# KiCad board panel12-1616.kicad_pcb (continued)
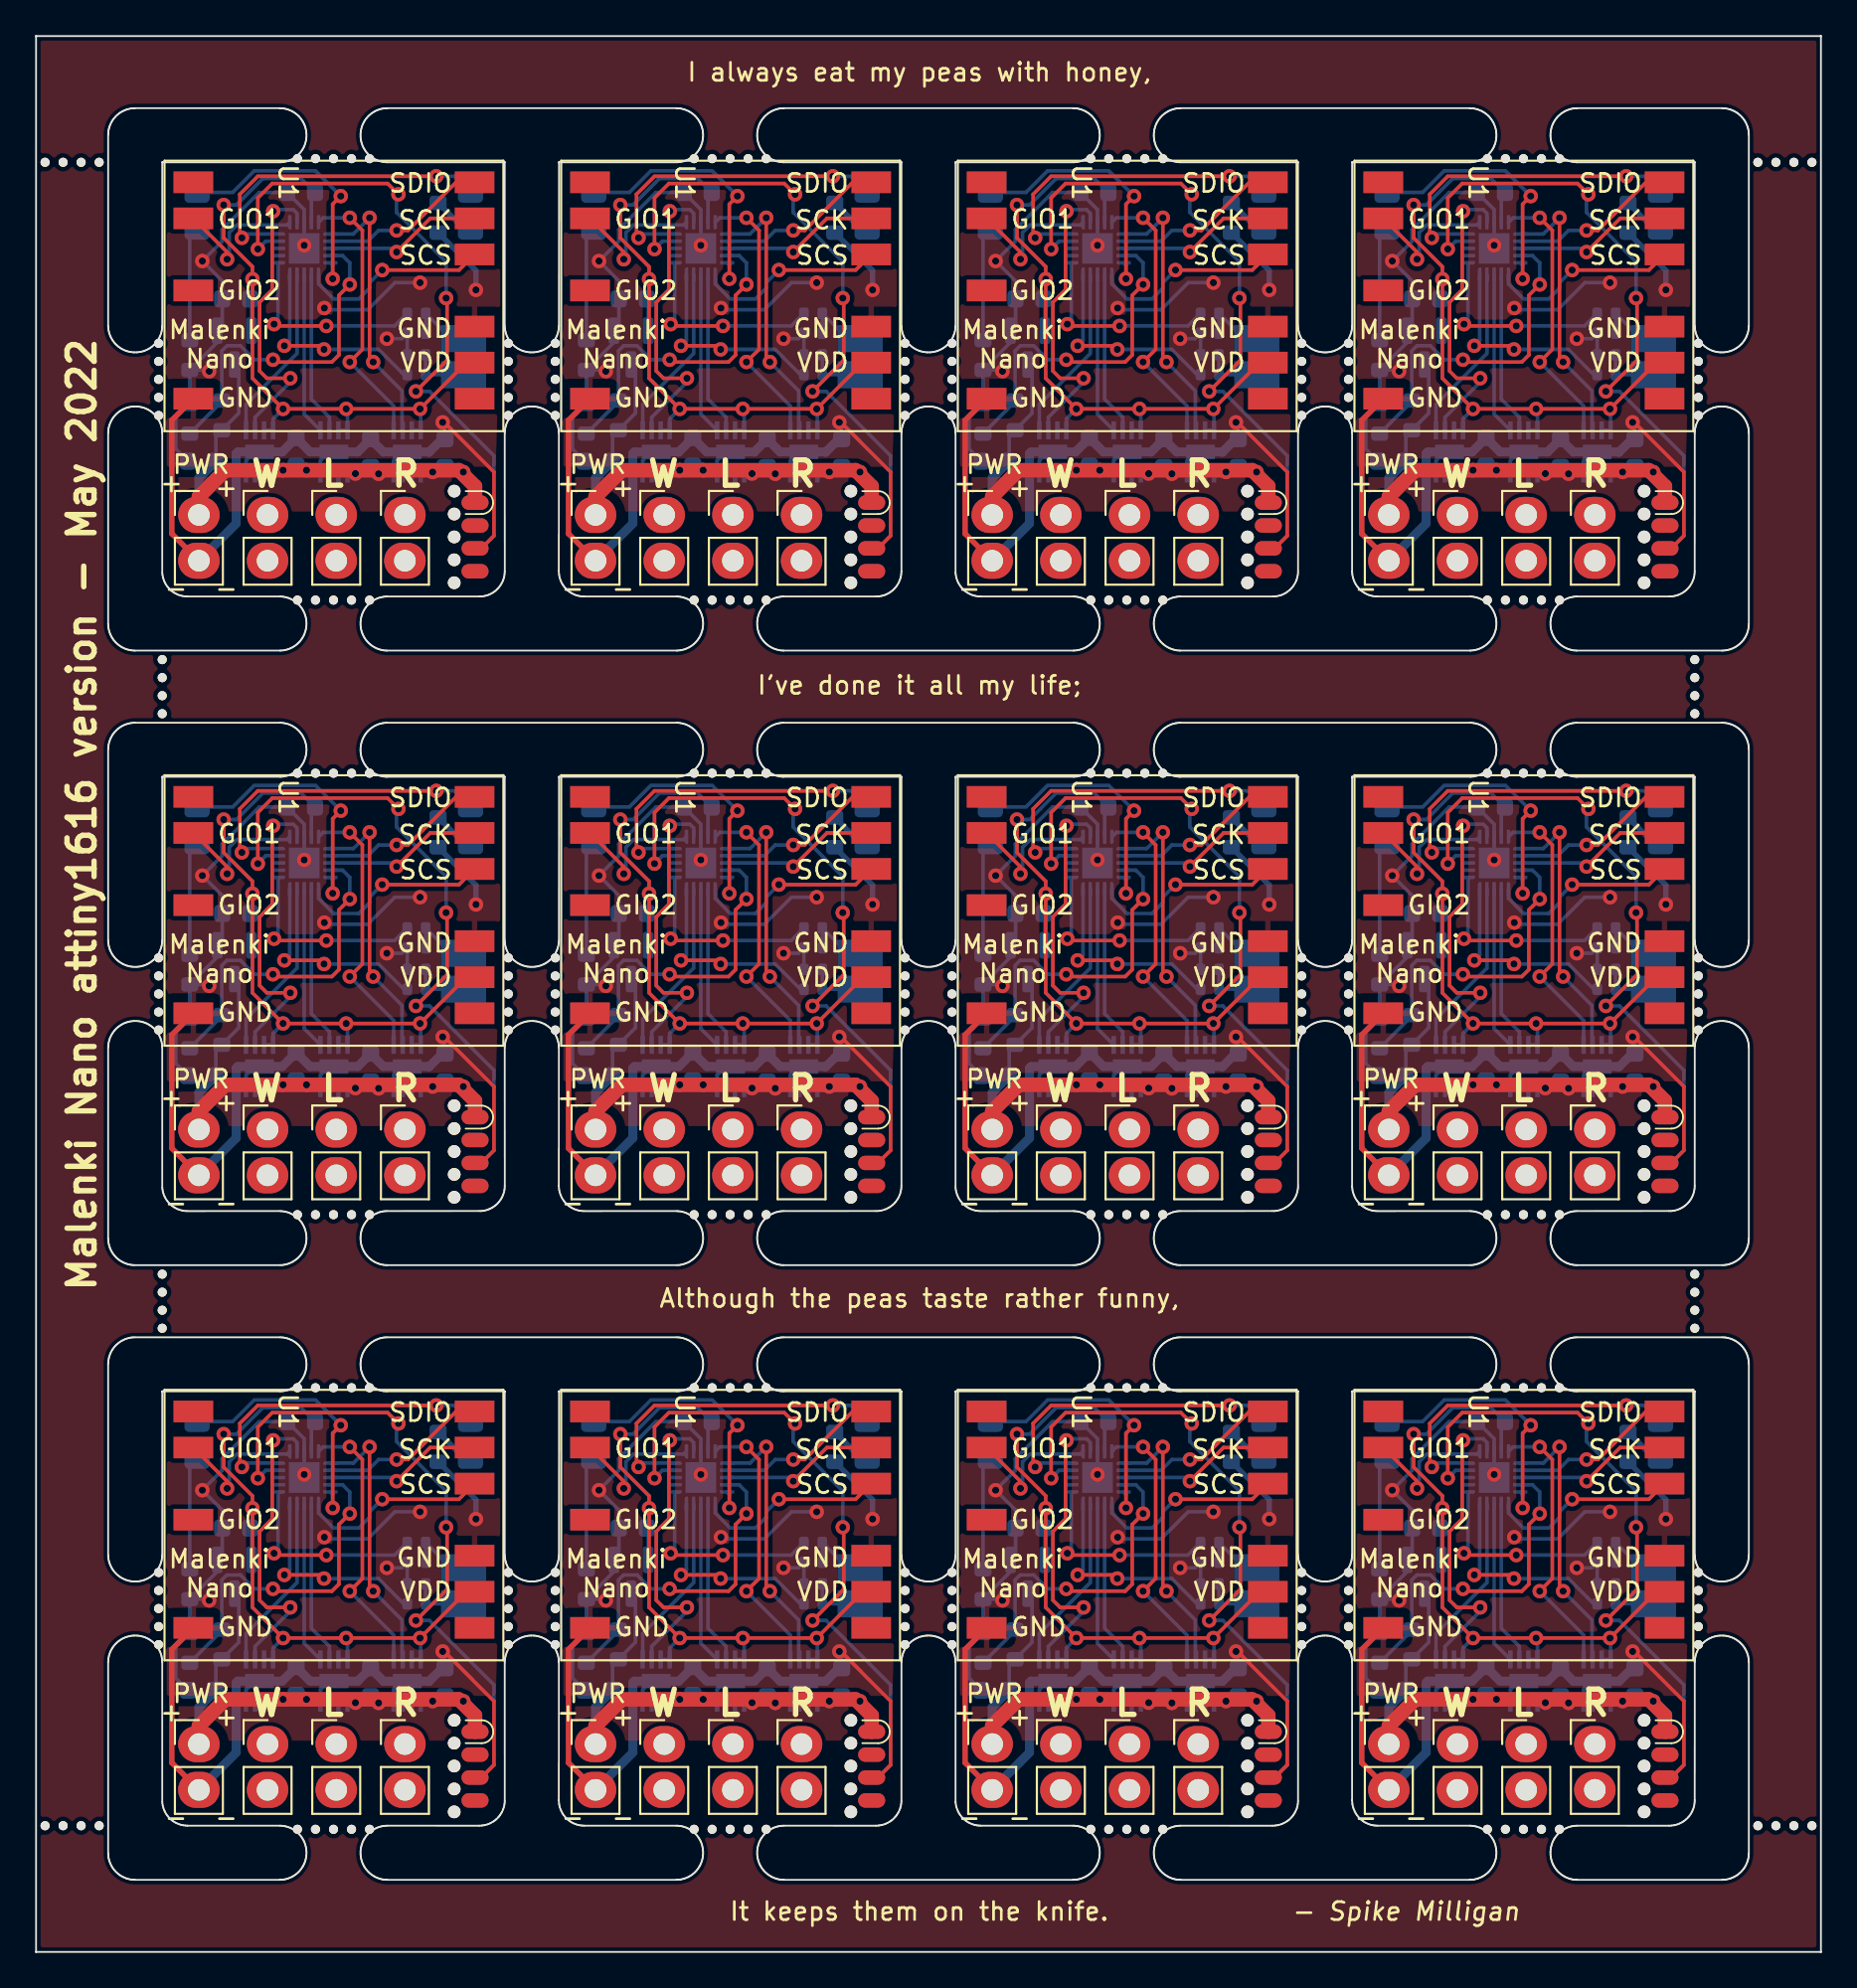
[diagram p0: board, top side]
## Routing (per net, layer and track width the routed paths; a pad name or vN(x,y) marks a point on that pad's centre or on a via; arc(x,y) is an arc through that point) (continued)
Board_9-Net-(D1-Pad1): length 6.3
  Bottom w0.2: R1#5.1 30.53,26.96 D1#11.1
Board_9-Net-(D2-Pad1): length 2.4
  Bottom w0.3: D2#4.1 45.78,27.37 R2#7.1
Board_9-SPI_SCK: length 8.9
  Top w0.2: v1(42.01,26.11) 43.87,27.97 U1#9.13
  Bottom w0.2: v1(42.01,26.11) 41.81,26.31 U3#5.8
Board_9-SPI_SCS: length 10.7
  Top w0.2: U1#9.12 45.47,25.11 v1(41.21,25.11)
  Bottom w0.2: v1(41.21,25.11) 40.51,24.41 40.51,24.11 39.91,23.51 38.51,23.51 37.68,24.34 U3#5.11
Board_9-SPI_SDIO: length 9.4
  Top w0.2: U1#9.14 45.31,29.97 42.64,27.31 v1(42.01,27.31)
  Bottom w0.2: v1(42.01,27.31) 41.01,27.31 40.41,26.71 U3#5.7
Board_9-TXDEBUG: length 18.1
  Top w0.2: v1(33.42,26.89) 33.31,27.01 33.31,29.31 34.31,30.31 v1(44.21,30.31)
  Bottom w0.2: U3#5.20 33.64,27.11 v1(33.42,26.89) ; v1(44.21,30.31) 45.22,30.31 D2#4.2
Board_9-UPDI: length 36.9
  Top w0.2: v1(44.75,23.55) 44.81,23.5 44.81,20.11 v1(43.08,18.38) ; v1(42.11,29.31) 41.51,29.91 35.11,29.91 34.31,29.11 v1(34.31,26.27)
  Bottom w0.2: v1(42.11,29.31) 42.01,29.21 42.01,28.3 44.75,25.56 v1(44.75,23.55) ; J2#9.6 46.71,9.67 47.41,10.37 47.41,14.81 43.84,18.38 v1(43.08,18.38) ; U3#5.19 34.75,26.71 v1(34.31,26.27)
Board_9-VBAT: length 27.6
  Top w0.8: J2#9.1 46.36,13.11 45.46,14.01 v1(37.01,14.01) v1(35.71,14.01) 32.51,14.01 31.04,12.54 J1#12.1
  Bottom w0.2: C2#4.1 31.98,15.9 R3#11.1 33.25,17.17 33.25,19.62 U2#6.3
  Bottom w0.5: C2#4.1 31.04,13.57 J1#12.1
  vias: v1(39.72,13.82) v1(41.01,13.81) v1(44.01,13.91) v1(45.71,13.91)
Board_9-VLOGIC: length 40.4
  Top w0.2: U1#9.9 45.87,19.97 v1(43.31,17.41) v1(39.21,17.41) v1(35.71,17.41) 34.01,19.11 v1(34.01,24.61) 34.01,25.29 32.41,26.89 v1(32.41,28.72)
  Bottom w0.2: U2#6.2 33.96,23.43 C3#11.1 34.01,23.63 v1(34.01,24.61) ; U5#8.7 U5#8.8 35.15,16.85 v1(35.71,17.41) ; v1(43.31,17.41) 43.35,17.37 U7#12.8 U7#12.7 ; v1(32.41,28.72) 33.12,28.72 34.58,30.18 36.71,30.18 C4.1 37.28,29.2 U3#5.4 ; v1(39.21,17.41) 39.28,17.33 U6#8.8 U6#8.7
Board_9-VSENSE: length 19.1
  Top w0.2: v1(35.15,20.14) 35.27,20.01 38.42,20.01 38.81,20.4 38.81,23.71 v1(39.41,24.31)
  Bottom w0.2: v1(35.15,20.14) 34.12,20.14 33.34,20.91 32.59,20.91 32.31,20.62 R3#11.2 32.31,17.81 R4#5.1 ; U3#5.9 39.01,25.91 39.41,25.51 v1(39.41,24.31)
Board_9-WEAPON2: length 3.2
  Bottom w0.2: J3#10.2 43.62,19.31 R5#9.1 R7#3.2
Board_9-WEAPON3: length 3.8
  Bottom w0.2: R8#7.2 R6#12.1 45.02,21.31 J3#10.1
Board_10-/W2: length 11.6
  Top w0.2: v1(59.98,20.71) 59.78,20.91 v1(57.79,20.91)
  Bottom w0.2: v1(59.98,20.71) 63.01,20.71 64.41,19.31 R5#7.2 ; v1(57.79,20.91) 58.09,21.21 U3#4.15
Board_10-/W3: length 11.2
  Top w0.2: v1(60.11,22.01) 57.31,22.01 v1(57.21,22.11)
  Bottom w0.2: v1(57.21,22.11) 57.44,22.33 U3#4.16 ; v1(60.11,22.01) 63.9,22.01 R6#11.2
Board_10-BLINKY: length 14.8
  Top w0.2: v1(60.91,29.21) 60.47,28.76 v1(60.47,24.62)
  Bottom w0.2: v1(60.47,24.62) 60.47,25.38 U3#4.10 ; D1#4.2 54.92,29.42 56.11,30.61 59.51,30.61 v1(60.91,29.21)
Board_10-GIO1: length 8.2
  Top w0.2: v1(54.61,25.71) 54.61,26.1 U1#4.2
  Bottom w0.2: v1(54.61,25.71) 54.73,25.82 54.73,27.18 55.15,27.61 57.94,27.61 U3#4.1
Board_10-GND: length 81.6
  Top w0.2: J2#8.3 68.71,9.67 69.41,10.37 69.41,13.91 66.61,16.71 v1(66.57,16.66)
  Top w0.3: J1#2.2 51.54,10.49 51.54,16.78 U1#4.7
  Bottom w0.2: v1(63.47,21.3) 64.3,21.3 R8#2.1 R7.1 ; C7#7.2 66.7,16.54 v1(66.57,16.66) ; R1#12.2 R4#7.2 51.76,16.91 51.76,15.19 C2.2 ; R1#12.2 53.54,19.57 v1(53.61,19.5) ; R1#12.2 54.06,21.1 U2#7.1 54.34,22.02 C3#4.2 54.34,24.5 v1(53.23,25.61) 54.33,26.7 54.33,27.35 56.39,29.41 C4#7.2 58.89,28.46 U3#4.3 v1(58.89,26.48) U3#4.21 ; U7#10.9 64.33,15.02 63.85,14.54 U7#10.4 ; U6#5.9 60.26,15.02 59.79,14.54 U6#5.4 ; v1(60,23) 60.1,22.91 62.41,22.91 63.91,24.41 v1(65.31,24.41) ; U5#10.4 55.66,14.54 56.13,15.02 U5#10.9
  Bottom w0.3: R2#5.2 68.41,25.08 v1(68.41,24.01)
  Bottom w0.5: C7#7.2 66.54,15.73 65.81,15.01 65.8,15.02 U7#10.9 63.28,15.02 C6#9.2 61.86,15.02 U6#5.9 59.22,15.02 C5#12.2 57.67,15.02 U5#10.9 55.2,15.02 55.11,14.93 55.11,11.06 J1#2.2
Board_10-MOTOR1F: length 16.7
  Top w0.2: v1(57.16,28.37) 57.11,28.32 57.11,24.02 56.41,23.32 56.41,19.51 56.81,19.11 v1(58.11,19.11)
  Bottom w0.2: U5#10.6 56.16,16.94 58.11,18.9 v1(58.11,19.11) ; v1(57.16,28.37) 57.25,28.46 58.28,28.46 58.49,28.25 U3#4.2
Board_10-MOTOR1R: length 9.8
  Bottom w0.2: U5#10.5 55.66,17.65 58.49,20.48 U3#4.14
Board_10-MOTOR2F: length 9.1
  Bottom w0.2: U3#4.12 59.29,17.95 60.29,16.94 U6#5.6
Board_10-MOTOR2R: length 9
  Bottom w0.2: U6#5.5 58.89,17.12 U3#4.13
Board_10-MOTOR3F: length 15.1
  Top w0.2: v1(62.71,20.01) 62.51,20.21 v1(62.51,28.01)
  Bottom w0.2: U7#10.6 64.31,16.26 64.31,18.41 v1(62.71,20.01) ; U3#4.6 61.61,27.11 v1(62.51,28.01)
Board_10-MOTOR3R: length 15.2
  Top w0.2: v1(61.41,20.01) 62.11,20.71 62.11,27.31 v1(61.41,28.01)
  Bottom w0.2: v1(61.41,28.01) 59.94,28.01 U3#4.5 ; v1(61.41,20.01) 63.85,17.57 U7#10.5
Board_10-Net-(D1-Pad1): length 6.3
  Bottom w0.2: D1#4.1 52.54,26.96 R1#12.1
Board_10-Net-(D2-Pad1): length 2.4
  Bottom w0.3: D2#6.1 67.78,27.37 R2#5.1
Board_10-SPI_SCK: length 8.9
  Top w0.2: v1(64.01,26.11) 65.88,27.97 U1#4.13
  Bottom w0.2: U3#4.8 63.81,26.31 v1(64.01,26.11)
Board_10-SPI_SCS: length 10.7
  Top w0.2: v1(63.21,25.11) 67.47,25.11 U1#4.12
  Bottom w0.2: v1(63.21,25.11) 62.51,24.41 62.51,24.11 61.91,23.51 60.51,23.51 59.69,24.34 U3#4.11
Board_10-SPI_SDIO: length 9.4
  Top w0.2: v1(64.01,27.31) 64.65,27.31 67.31,29.97 U1#4.14
  Bottom w0.2: v1(64.01,27.31) 63.01,27.31 62.41,26.71 U3#4.7
Board_10-TXDEBUG: length 18.1
  Top w0.2: v1(55.43,26.89) 55.31,27.01 55.31,29.31 56.31,30.31 v1(66.21,30.31)
  Bottom w0.2: v1(55.43,26.89) 55.64,27.11 U3#4.20 ; D2#6.2 67.22,30.31 v1(66.21,30.31)
Board_10-UPDI: length 36.9
  Top w0.2: v1(64.11,29.31) 63.51,29.91 57.11,29.91 56.31,29.11 v1(56.31,26.27) ; v1(65.08,18.38) 66.81,20.11 66.81,23.5 v1(66.76,23.55)
  Bottom w0.2: v1(66.76,23.55) 66.76,25.56 64.01,28.3 64.01,29.21 v1(64.11,29.31) ; v1(56.31,26.27) 56.75,26.71 U3#4.19 ; v1(65.08,18.38) 65.84,18.38 69.41,14.81 69.41,10.37 68.71,9.67 J2#8.6
Board_10-VBAT: length 27.6
  Top w0.8: J2#8.1 68.36,13.11 67.47,14.01 v1(59.01,14.01) v1(57.71,14.01) 54.51,14.01 53.04,12.54 J1#2.1
  Bottom w0.2: C2.1 53.99,15.9 R3#4.1 55.26,17.17 55.26,19.62 U2#7.3
  Bottom w0.5: J1#2.1 53.04,13.57 C2.1
  vias: v1(61.73,13.82) v1(63.01,13.81) v1(66.01,13.91) v1(67.71,13.91)
Board_10-VLOGIC: length 40.4
  Top w0.2: U1#4.9 67.88,19.97 v1(65.31,17.41) v1(61.21,17.41) v1(57.71,17.41) 56.01,19.11 v1(56.01,24.61) 56.01,25.29 54.42,26.89 v1(54.42,28.72)
  Bottom w0.2: v1(65.31,17.41) 65.35,17.37 U7#10.8 U7#10.7 ; v1(56.01,24.61) 56.01,23.63 C3#4.1 55.96,23.43 U2#7.2 ; v1(54.42,28.72) 55.12,28.72 56.59,30.18 58.71,30.18 C4#7.1 59.29,29.2 U3#4.4 ; v1(61.21,17.41) 61.29,17.33 U6#5.8 U6#5.7 ; v1(57.71,17.41) 57.16,16.85 U5#10.8 U5#10.7
Board_10-VSENSE: length 19.1
  Top w0.2: v1(61.41,24.31) 60.81,23.71 60.81,20.4 60.42,20.01 57.28,20.01 v1(57.15,20.14)
  Bottom w0.2: U3#4.9 61.01,25.91 61.41,25.51 v1(61.41,24.31) ; R4#7.1 54.31,17.81 R3#4.2 54.31,20.62 54.6,20.91 55.35,20.91 56.12,20.14 v1(57.15,20.14)
Board_10-WEAPON2: length 3.2
  Bottom w0.2: R7.2 R5#7.1 65.62,19.31 J3#2.2
Board_10-WEAPON3: length 3.8
  Bottom w0.2: J3#2.1 67.02,21.31 R6#11.1 R8#2.2
Board_11-/W2: length 11.6
  Top w0.2: v1(81.99,20.71) 81.79,20.91 v1(79.79,20.91)
  Bottom w0.2: R5#8.2 86.41,19.31 85.01,20.71 v1(81.99,20.71) ; U3#12.15 80.09,21.21 v1(79.79,20.91)
Board_11-/W3: length 11.2
  Top w0.2: v1(82.12,22.01) 79.32,22.01 v1(79.22,22.11)
  Bottom w0.2: v1(79.22,22.11) 79.44,22.33 U3#12.16 ; v1(82.12,22.01) 85.91,22.01 R6#2.2
Board_11-BLINKY: length 14.8
  Top w0.2: v1(82.47,24.62) 82.47,28.76 v1(82.92,29.21)
  Bottom w0.2: v1(82.92,29.21) 81.52,30.61 78.12,30.61 76.93,29.42 D1#5.2 ; v1(82.47,24.62) 82.47,25.38 U3#12.10
Board_11-GIO1: length 8.2
  Top w0.2: U1#5.2 76.62,26.1 v1(76.62,25.71)
  Bottom w0.2: U3#12.1 79.94,27.61 77.16,27.61 76.73,27.18 76.73,25.82 v1(76.62,25.71)
Board_11-GND: length 81.6
  Top w0.2: v1(88.57,16.66) 88.62,16.71 91.42,13.91 91.42,10.37 90.72,9.67 J2#5.3
  Top w0.3: U1#5.7 73.55,16.78 73.55,10.49 J1#6.2
  Bottom w0.2: U5#9.4 77.66,14.54 78.14,15.02 U5#9.9 ; v1(87.32,24.41) 85.92,24.41 84.42,22.91 82.1,22.91 v1(82.01,23) ; U6#2.9 82.27,15.02 81.79,14.54 U6#2.4 ; U7#6.4 85.85,14.54 86.33,15.02 U7#6.9 ; v1(75.62,19.5) 75.55,19.57 R1#2.2 ; R1#2.2 76.07,21.1 U2#9.1 76.34,22.02 C3#6.2 76.34,24.5 v1(75.24,25.61) 76.33,26.7 76.33,27.35 78.39,29.41 C4#6.2 80.89,28.46 U3#12.3 v1(80.89,26.48) U3#12.21 ; R1#2.2 R4#6.2 73.77,16.91 73.77,15.19 C2#5.2 ; v1(88.57,16.66) 88.7,16.54 C7#5.2 ; v1(85.48,21.3) 86.3,21.3 R8#8.1 R7#4.1
  Bottom w0.3: v1(90.42,24.01) 90.42,25.08 R2.2
  Bottom w0.5: C7#5.2 88.54,15.73 87.82,15.01 87.81,15.02 U7#6.9 85.28,15.02 C6#8.2 83.86,15.02 U6#2.9 81.22,15.02 C5#10.2 79.67,15.02 U5#9.9 77.21,15.02 77.12,14.93 77.12,11.06 J1#6.2
Board_11-MOTOR1F: length 16.7
  Top w0.2: v1(80.12,19.11) 78.82,19.11 78.42,19.51 78.42,23.32 79.12,24.02 79.12,28.32 v1(79.17,28.37)
  Bottom w0.2: U3#12.2 80.49,28.25 80.28,28.46 79.25,28.46 v1(79.17,28.37) ; U5#9.6 78.16,16.94 80.12,18.9 v1(80.12,19.11)
Board_11-MOTOR1R: length 9.8
  Bottom w0.2: U5#9.5 77.66,17.65 80.49,20.48 U3#12.14
Board_11-MOTOR2F: length 9.1
  Bottom w0.2: U6#2.6 82.29,16.94 81.29,17.95 U3#12.12
Board_11-MOTOR2R: length 9
  Bottom w0.2: U6#2.5 80.89,17.12 U3#12.13
Board_11-MOTOR3F: length 15.1
  Top w0.2: v1(84.52,28.01) 84.52,20.21 v1(84.72,20.01)
  Bottom w0.2: U7#6.6 86.32,16.26 86.32,18.41 v1(84.72,20.01) ; U3#12.6 83.62,27.11 v1(84.52,28.01)
Board_11-MOTOR3R: length 15.2
  Top w0.2: v1(83.42,20.01) 84.12,20.71 84.12,27.31 v1(83.42,28.01)
  Bottom w0.2: v1(83.42,20.01) 85.85,17.57 U7#6.5 ; v1(83.42,28.01) 81.94,28.01 U3#12.5
Board_11-Net-(D1-Pad1): length 6.3
  Bottom w0.2: D1#5.1 74.54,26.96 R1#2.1
Board_11-Net-(D2-Pad1): length 2.4
  Bottom w0.3: R2.1 89.78,27.37 D2#5.1
Board_11-SPI_SCK: length 8.9
  Top w0.2: v1(86.02,26.11) 87.88,27.97 U1#5.13
  Bottom w0.2: U3#12.8 85.82,26.31 v1(86.02,26.11)
Board_11-SPI_SCS: length 10.7
  Top w0.2: U1#5.12 89.47,25.11 v1(85.22,25.11)
  Bottom w0.2: U3#12.11 81.69,24.34 82.52,23.51 83.92,23.51 84.52,24.11 84.52,24.41 v1(85.22,25.11)
Board_11-SPI_SDIO: length 9.4
  Top w0.2: U1#5.14 89.32,29.97 86.65,27.31 v1(86.02,27.31)
  Bottom w0.2: v1(86.02,27.31) 85.02,27.31 84.42,26.71 U3#12.7
Board_11-TXDEBUG: length 18.1
  Top w0.2: v1(88.22,30.31) 78.32,30.31 77.32,29.31 77.32,27.01 v1(77.43,26.89)
  Bottom w0.2: U3#12.20 77.65,27.11 v1(77.43,26.89) ; v1(88.22,30.31) 89.23,30.31 D2#5.2
Board_11-UPDI: length 36.9
  Top w0.2: v1(87.09,18.38) 88.82,20.11 88.82,23.5 v1(88.76,23.55) ; v1(86.12,29.31) 85.52,29.91 79.12,29.91 78.32,29.11 v1(78.32,26.27)
  Bottom w0.2: v1(88.76,23.55) 88.76,25.56 86.02,28.3 86.02,29.21 v1(86.12,29.31) ; J2#5.6 90.72,9.67 91.42,10.37 91.42,14.81 87.85,18.38 v1(87.09,18.38) ; v1(78.32,26.27) 78.76,26.71 U3#12.19
Board_11-VBAT: length 27.6
  Top w0.8: J2#5.1 90.37,13.11 89.47,14.01 v1(81.02,14.01) v1(79.72,14.01) 76.52,14.01 75.05,12.54 J1#6.1
  Bottom w0.2: C2#5.1 75.99,15.9 R3#3.1 77.26,17.17 77.26,19.62 U2#9.3
  Bottom w0.5: C2#5.1 75.05,13.57 J1#6.1
  vias: v1(83.73,13.82) v1(85.02,13.81) v1(88.02,13.91) v1(89.72,13.91)
Board_11-VLOGIC: length 40.4
  Top w0.2: U1#5.9 89.88,19.97 v1(87.32,17.41) v1(83.22,17.41) v1(79.72,17.41) 78.02,19.11 v1(78.02,24.61) 78.02,25.29 76.42,26.89 v1(76.42,28.72)
  Bottom w0.2: v1(79.72,17.41) 79.16,16.85 U5#9.8 U5#9.7 ; v1(87.32,17.41) 87.35,17.37 U7#6.8 U7#6.7 ; U2#9.2 77.97,23.43 C3#6.1 78.02,23.63 v1(78.02,24.61) ; U6#2.7 U6#2.8 83.29,17.33 v1(83.22,17.41) ; v1(76.42,28.72) 77.13,28.72 78.59,30.18 80.72,30.18 C4#6.1 81.29,29.2 U3#12.4
Board_11-VSENSE: length 19.1
  Top w0.2: v1(83.42,24.31) 82.82,23.71 82.82,20.4 82.43,20.01 79.28,20.01 v1(79.16,20.14)
  Bottom w0.2: R4#6.1 76.32,17.81 R3#3.2 76.32,20.62 76.6,20.91 77.35,20.91 78.13,20.14 v1(79.16,20.14) ; v1(83.42,24.31) 83.42,25.51 83.02,25.91 U3#12.9
Board_11-WEAPON2: length 3.2
  Bottom w0.2: J3#11.2 87.63,19.31 R5#8.1 R7#4.2
Board_11-WEAPON3: length 3.8
  Bottom w0.2: J3#11.1 89.03,21.31 R6#2.1 R8#8.2

## Copper pours and planes (outline as drawn; the poured copper is in the pictures)
(no net) on Top: 0,106.23 0,0.02 0.02,0 99,0 99.02,0.02 99.02,106.23 99,106.25 0.02,106.25 ; 12 cut-outs
(no net) on Bottom: 0,106.23 0,0.02 0.02,0 99,0 99.02,0.02 99.02,106.23 99,106.25 0.02,106.25 ; 12 cut-outs
Board_0-GND on Top: 25.5,82.36 7,82.36 7,99.25 26,99.17
Board_0-GND on Bottom: 10.94,75.5 7.45,75.5 7.45,83.69 10.94,83.69
Board_0-Net-(J5-Pad1) on Bottom: 12.21,78.87 11.32,78.87 11.32,81.56 12.27,81.56
Board_0-Net-(J5-Pad2) on Bottom: 14.75,75.77 12.53,75.82 12.53,81.57 14.7,81.57
Board_0-Net-(J6-Pad1) on Bottom: 16.34,78.74 15.26,78.74 15.26,81.53 16.4,81.53
Board_0-Net-(J6-Pad2) on Bottom: 18.81,75.82 16.65,75.82 16.65,81.57 18.8,81.57
Board_0-Net-(J7-Pad1) on Bottom: 20.4,78.74 19.13,78.74 19.13,81.53 20.4,81.53
Board_0-Net-(J7-Pad2) on Bottom: 22.8,75.8 20.64,75.8 20.64,81.57 22.86,81.57
Board_0-VBAT on Top: 23,79.88 7.06,79.88 7.06,81.79 23.07,81.85
Board_0-VBAT on Bottom: 24,81.87 12.1,81.87 12.1,82.77 24,82.77
Board_1-GND on Top: 47.51,82.36 29.01,82.36 29.01,99.25 48.01,99.17
Board_1-GND on Bottom: 32.94,75.5 29.45,75.5 29.45,83.69 32.94,83.69
Board_1-Net-(J5-Pad1) on Bottom: 34.21,78.87 33.32,78.87 33.32,81.56 34.28,81.56
Board_1-Net-(J5-Pad2) on Bottom: 36.76,75.77 34.53,75.82 34.53,81.57 36.71,81.57
Board_1-Net-(J6-Pad1) on Bottom: 38.34,78.74 37.26,78.74 37.26,81.53 38.4,81.53
Board_1-Net-(J6-Pad2) on Bottom: 40.82,75.82 38.66,75.82 38.66,81.57 40.81,81.57
Board_1-Net-(J7-Pad1) on Bottom: 42.4,78.74 41.13,78.74 41.13,81.53 42.4,81.53
Board_1-Net-(J7-Pad2) on Bottom: 44.8,75.8 42.64,75.8 42.64,81.57 44.87,81.57
Board_1-VBAT on Top: 45.01,79.88 29.07,79.88 29.07,81.79 45.07,81.85
Board_1-VBAT on Bottom: 46.01,81.87 34.11,81.87 34.11,82.77 46.01,82.77
Board_2-GND on Top: 69.51,82.36 51.01,82.36 51.01,99.25 70.01,99.17
Board_2-GND on Bottom: 54.95,75.5 51.46,75.5 51.46,83.69 54.95,83.69
Board_2-Net-(J5-Pad1) on Bottom: 56.22,78.87 55.33,78.87 55.33,81.56 56.28,81.56
Board_2-Net-(J5-Pad2) on Bottom: 58.76,75.77 56.54,75.82 56.54,81.57 58.71,81.57
Board_2-Net-(J6-Pad1) on Bottom: 60.35,78.74 59.27,78.74 59.27,81.53 60.41,81.53
Board_2-Net-(J6-Pad2) on Bottom: 62.82,75.82 60.66,75.82 60.66,81.57 62.81,81.57
Board_2-Net-(J7-Pad1) on Bottom: 64.41,78.74 63.14,78.74 63.14,81.53 64.41,81.53
Board_2-Net-(J7-Pad2) on Bottom: 66.81,75.8 64.65,75.8 64.65,81.57 66.87,81.57
Board_2-VBAT on Top: 67.01,79.88 51.07,79.88 51.07,81.79 67.08,81.85
Board_2-VBAT on Bottom: 68.01,81.87 56.11,81.87 56.11,82.77 68.01,82.77
Board_3-GND on Top: 91.52,82.36 73.02,82.36 73.02,99.25 92.02,99.17
Board_3-GND on Bottom: 76.95,75.5 73.46,75.5 73.46,83.69 76.95,83.69
Board_3-Net-(J5-Pad1) on Bottom: 78.22,78.87 77.33,78.87 77.33,81.56 78.29,81.56
Board_3-Net-(J5-Pad2) on Bottom: 80.77,75.77 78.54,75.82 78.54,81.57 80.72,81.57
Board_3-Net-(J6-Pad1) on Bottom: 82.35,78.74 81.27,78.74 81.27,81.53 82.41,81.53
Board_3-Net-(J6-Pad2) on Bottom: 84.83,75.82 82.67,75.82 82.67,81.57 84.82,81.57
Board_3-Net-(J7-Pad1) on Bottom: 86.41,78.74 85.14,78.74 85.14,81.53 86.41,81.53
Board_3-Net-(J7-Pad2) on Bottom: 88.81,75.8 86.65,75.8 86.65,81.57 88.88,81.57
Board_3-VBAT on Top: 89.02,79.88 73.08,79.88 73.08,81.79 89.08,81.85
Board_3-VBAT on Bottom: 90.02,81.87 78.12,81.87 78.12,82.77 90.02,82.77
Board_4-GND on Top: 25.5,48.28 7,48.28 7,65.17 26,65.09
Board_4-GND on Bottom: 10.94,41.42 7.45,41.42 7.45,49.61 10.94,49.61
Board_4-Net-(J5-Pad1) on Bottom: 12.21,44.79 11.32,44.79 11.32,47.48 12.27,47.48
Board_4-Net-(J5-Pad2) on Bottom: 14.75,41.69 12.53,41.74 12.53,47.49 14.7,47.49
Board_4-Net-(J6-Pad1) on Bottom: 16.34,44.66 15.26,44.66 15.26,47.45 16.4,47.45
Board_4-Net-(J6-Pad2) on Bottom: 18.81,41.74 16.65,41.74 16.65,47.49 18.8,47.49
Board_4-Net-(J7-Pad1) on Bottom: 20.4,44.66 19.13,44.66 19.13,47.45 20.4,47.45
Board_4-Net-(J7-Pad2) on Bottom: 22.8,41.72 20.64,41.72 20.64,47.49 22.86,47.49
Board_4-VBAT on Top: 23,45.8 7.06,45.8 7.06,47.71 23.07,47.77
Board_4-VBAT on Bottom: 24,47.79 12.1,47.79 12.1,48.69 24,48.69
Board_5-GND on Top: 47.51,48.28 29.01,48.28 29.01,65.17 48.01,65.09
Board_5-GND on Bottom: 32.94,41.42 29.45,41.42 29.45,49.61 32.94,49.61
Board_5-Net-(J5-Pad1) on Bottom: 34.21,44.79 33.32,44.79 33.32,47.48 34.28,47.48
Board_5-Net-(J5-Pad2) on Bottom: 36.76,41.69 34.53,41.74 34.53,47.49 36.71,47.49
Board_5-Net-(J6-Pad1) on Bottom: 38.34,44.66 37.26,44.66 37.26,47.45 38.4,47.45
Board_5-Net-(J6-Pad2) on Bottom: 40.82,41.74 38.66,41.74 38.66,47.49 40.81,47.49
Board_5-Net-(J7-Pad1) on Bottom: 42.4,44.66 41.13,44.66 41.13,47.45 42.4,47.45
Board_5-Net-(J7-Pad2) on Bottom: 44.8,41.72 42.64,41.72 42.64,47.49 44.87,47.49
Board_5-VBAT on Top: 45.01,45.8 29.07,45.8 29.07,47.71 45.07,47.77
Board_5-VBAT on Bottom: 46.01,47.79 34.11,47.79 34.11,48.69 46.01,48.69
Board_6-GND on Top: 69.51,48.28 51.01,48.28 51.01,65.17 70.01,65.09
Board_6-GND on Bottom: 54.95,41.42 51.46,41.42 51.46,49.61 54.95,49.61
Board_6-Net-(J5-Pad1) on Bottom: 56.22,44.79 55.33,44.79 55.33,47.48 56.28,47.48
Board_6-Net-(J5-Pad2) on Bottom: 58.76,41.69 56.54,41.74 56.54,47.49 58.71,47.49
Board_6-Net-(J6-Pad1) on Bottom: 60.35,44.66 59.27,44.66 59.27,47.45 60.41,47.45
Board_6-Net-(J6-Pad2) on Bottom: 62.82,41.74 60.66,41.74 60.66,47.49 62.81,47.49
Board_6-Net-(J7-Pad1) on Bottom: 64.41,44.66 63.14,44.66 63.14,47.45 64.41,47.45
Board_6-Net-(J7-Pad2) on Bottom: 66.81,41.72 64.65,41.72 64.65,47.49 66.87,47.49
Board_6-VBAT on Top: 67.01,45.8 51.07,45.8 51.07,47.71 67.08,47.77
Board_6-VBAT on Bottom: 68.01,47.79 56.11,47.79 56.11,48.69 68.01,48.69
Board_7-GND on Top: 91.52,48.28 73.02,48.28 73.02,65.17 92.02,65.09
Board_7-GND on Bottom: 76.95,41.42 73.46,41.42 73.46,49.61 76.95,49.61
Board_7-Net-(J5-Pad1) on Bottom: 78.22,44.79 77.33,44.79 77.33,47.48 78.29,47.48
Board_7-Net-(J5-Pad2) on Bottom: 80.77,41.69 78.54,41.74 78.54,47.49 80.72,47.49
Board_7-Net-(J6-Pad1) on Bottom: 82.35,44.66 81.27,44.66 81.27,47.45 82.41,47.45
Board_7-Net-(J6-Pad2) on Bottom: 84.83,41.74 82.67,41.74 82.67,47.49 84.82,47.49
Board_7-Net-(J7-Pad1) on Bottom: 86.41,44.66 85.14,44.66 85.14,47.45 86.41,47.45
Board_7-Net-(J7-Pad2) on Bottom: 88.81,41.72 86.65,41.72 86.65,47.49 88.88,47.49
Board_7-VBAT on Top: 89.02,45.8 73.08,45.8 73.08,47.71 89.08,47.77
Board_7-VBAT on Bottom: 90.02,47.79 78.12,47.79 78.12,48.69 90.02,48.69
Board_8-GND on Top: 25.5,14.19 7,14.19 7,31.09 26,31.01
Board_8-GND on Bottom: 10.94,7.34 7.45,7.34 7.45,15.53 10.94,15.53
Board_8-Net-(J5-Pad1) on Bottom: 12.21,10.7 11.32,10.7 11.32,13.4 12.27,13.4
Board_8-Net-(J5-Pad2) on Bottom: 14.75,7.61 12.53,7.65 12.53,13.41 14.7,13.41
Board_8-Net-(J6-Pad1) on Bottom: 16.34,10.58 15.26,10.58 15.26,13.37 16.4,13.37
Board_8-Net-(J6-Pad2) on Bottom: 18.81,7.65 16.65,7.65 16.65,13.41 18.8,13.41
Board_8-Net-(J7-Pad1) on Bottom: 20.4,10.58 19.13,10.58 19.13,13.37 20.4,13.37
Board_8-Net-(J7-Pad2) on Bottom: 22.8,7.64 20.64,7.64 20.64,13.41 22.86,13.41
Board_8-VBAT on Top: 23,11.72 7.06,11.72 7.06,13.62 23.07,13.69
Board_8-VBAT on Bottom: 24,13.71 12.1,13.71 12.1,14.61 24,14.61
Board_9-GND on Top: 47.51,14.19 29.01,14.19 29.01,31.09 48.01,31.01
Board_9-GND on Bottom: 32.94,7.34 29.45,7.34 29.45,15.53 32.94,15.53
Board_9-Net-(J5-Pad1) on Bottom: 34.21,10.7 33.32,10.7 33.32,13.4 34.28,13.4
Board_9-Net-(J5-Pad2) on Bottom: 36.76,7.61 34.53,7.65 34.53,13.41 36.71,13.41
Board_9-Net-(J6-Pad1) on Bottom: 38.34,10.58 37.26,10.58 37.26,13.37 38.4,13.37
Board_9-Net-(J6-Pad2) on Bottom: 40.82,7.65 38.66,7.65 38.66,13.41 40.81,13.41
Board_9-Net-(J7-Pad1) on Bottom: 42.4,10.58 41.13,10.58 41.13,13.37 42.4,13.37
Board_9-Net-(J7-Pad2) on Bottom: 44.8,7.64 42.64,7.64 42.64,13.41 44.87,13.41
Board_9-VBAT on Top: 45.01,11.72 29.07,11.72 29.07,13.62 45.07,13.69
Board_9-VBAT on Bottom: 46.01,13.71 34.11,13.71 34.11,14.61 46.01,14.61
Board_10-GND on Top: 69.51,14.19 51.01,14.19 51.01,31.09 70.01,31.01
Board_10-GND on Bottom: 54.95,7.34 51.46,7.34 51.46,15.53 54.95,15.53
Board_10-Net-(J5-Pad1) on Bottom: 56.22,10.7 55.33,10.7 55.33,13.4 56.28,13.4
Board_10-Net-(J5-Pad2) on Bottom: 58.76,7.61 56.54,7.65 56.54,13.41 58.71,13.41
Board_10-Net-(J6-Pad1) on Bottom: 60.35,10.58 59.27,10.58 59.27,13.37 60.41,13.37
Board_10-Net-(J6-Pad2) on Bottom: 62.82,7.65 60.66,7.65 60.66,13.41 62.81,13.41
Board_10-Net-(J7-Pad1) on Bottom: 64.41,10.58 63.14,10.58 63.14,13.37 64.41,13.37
Board_10-Net-(J7-Pad2) on Bottom: 66.81,7.64 64.65,7.64 64.65,13.41 66.87,13.41
Board_10-VBAT on Top: 67.01,11.72 51.07,11.72 51.07,13.62 67.08,13.69
Board_10-VBAT on Bottom: 68.01,13.71 56.11,13.71 56.11,14.61 68.01,14.61
Board_11-GND on Top: 91.52,14.19 73.02,14.19 73.02,31.09 92.02,31.01
Board_11-GND on Bottom: 76.95,7.34 73.46,7.34 73.46,15.53 76.95,15.53
Board_11-Net-(J5-Pad1) on Bottom: 78.22,10.7 77.33,10.7 77.33,13.4 78.29,13.4
Board_11-Net-(J5-Pad2) on Bottom: 80.77,7.61 78.54,7.65 78.54,13.41 80.72,13.41
Board_11-Net-(J6-Pad1) on Bottom: 82.35,10.58 81.27,10.58 81.27,13.37 82.41,13.37
Board_11-Net-(J6-Pad2) on Bottom: 84.83,7.65 82.67,7.65 82.67,13.41 84.82,13.41
Board_11-Net-(J7-Pad1) on Bottom: 86.41,10.58 85.14,10.58 85.14,13.37 86.41,13.37
Board_11-Net-(J7-Pad2) on Bottom: 88.81,7.64 86.65,7.64 86.65,13.41 88.88,13.41
Board_11-VBAT on Top: 89.02,11.72 73.08,11.72 73.08,13.62 89.08,13.69
Board_11-VBAT on Bottom: 90.02,13.71 78.12,13.71 78.12,14.61 90.02,14.61

## Text on the board
B.Silkscreen: MN2022 | - | + | -PWR+ | W | L | R | Malenki Nano attiny1616 version - May 2022
F.Silkscreen: + | - | PWR | Malenki / Nano | I always eat my peas with honey, | I've done it all my life; | Although the peas taste rather funny, | It keeps them on the knife. | - Spike Milligan | W | L | R | Malenki Nano attiny1616 version - May 2022
